# Altium PCB 控制器.PcbDoc (part 1 of 2)
Units mil, origin at the board's own origin, x right, y up, seen from the top; angles counter-clockwise.
Board outline 4045 x 3522 mil, 2 copper layers (Top Layer, Bottom Layer); 118 components, 129 nets, 483 pads, 116 vias.
Unrouted connection lines stored in the file: 1.
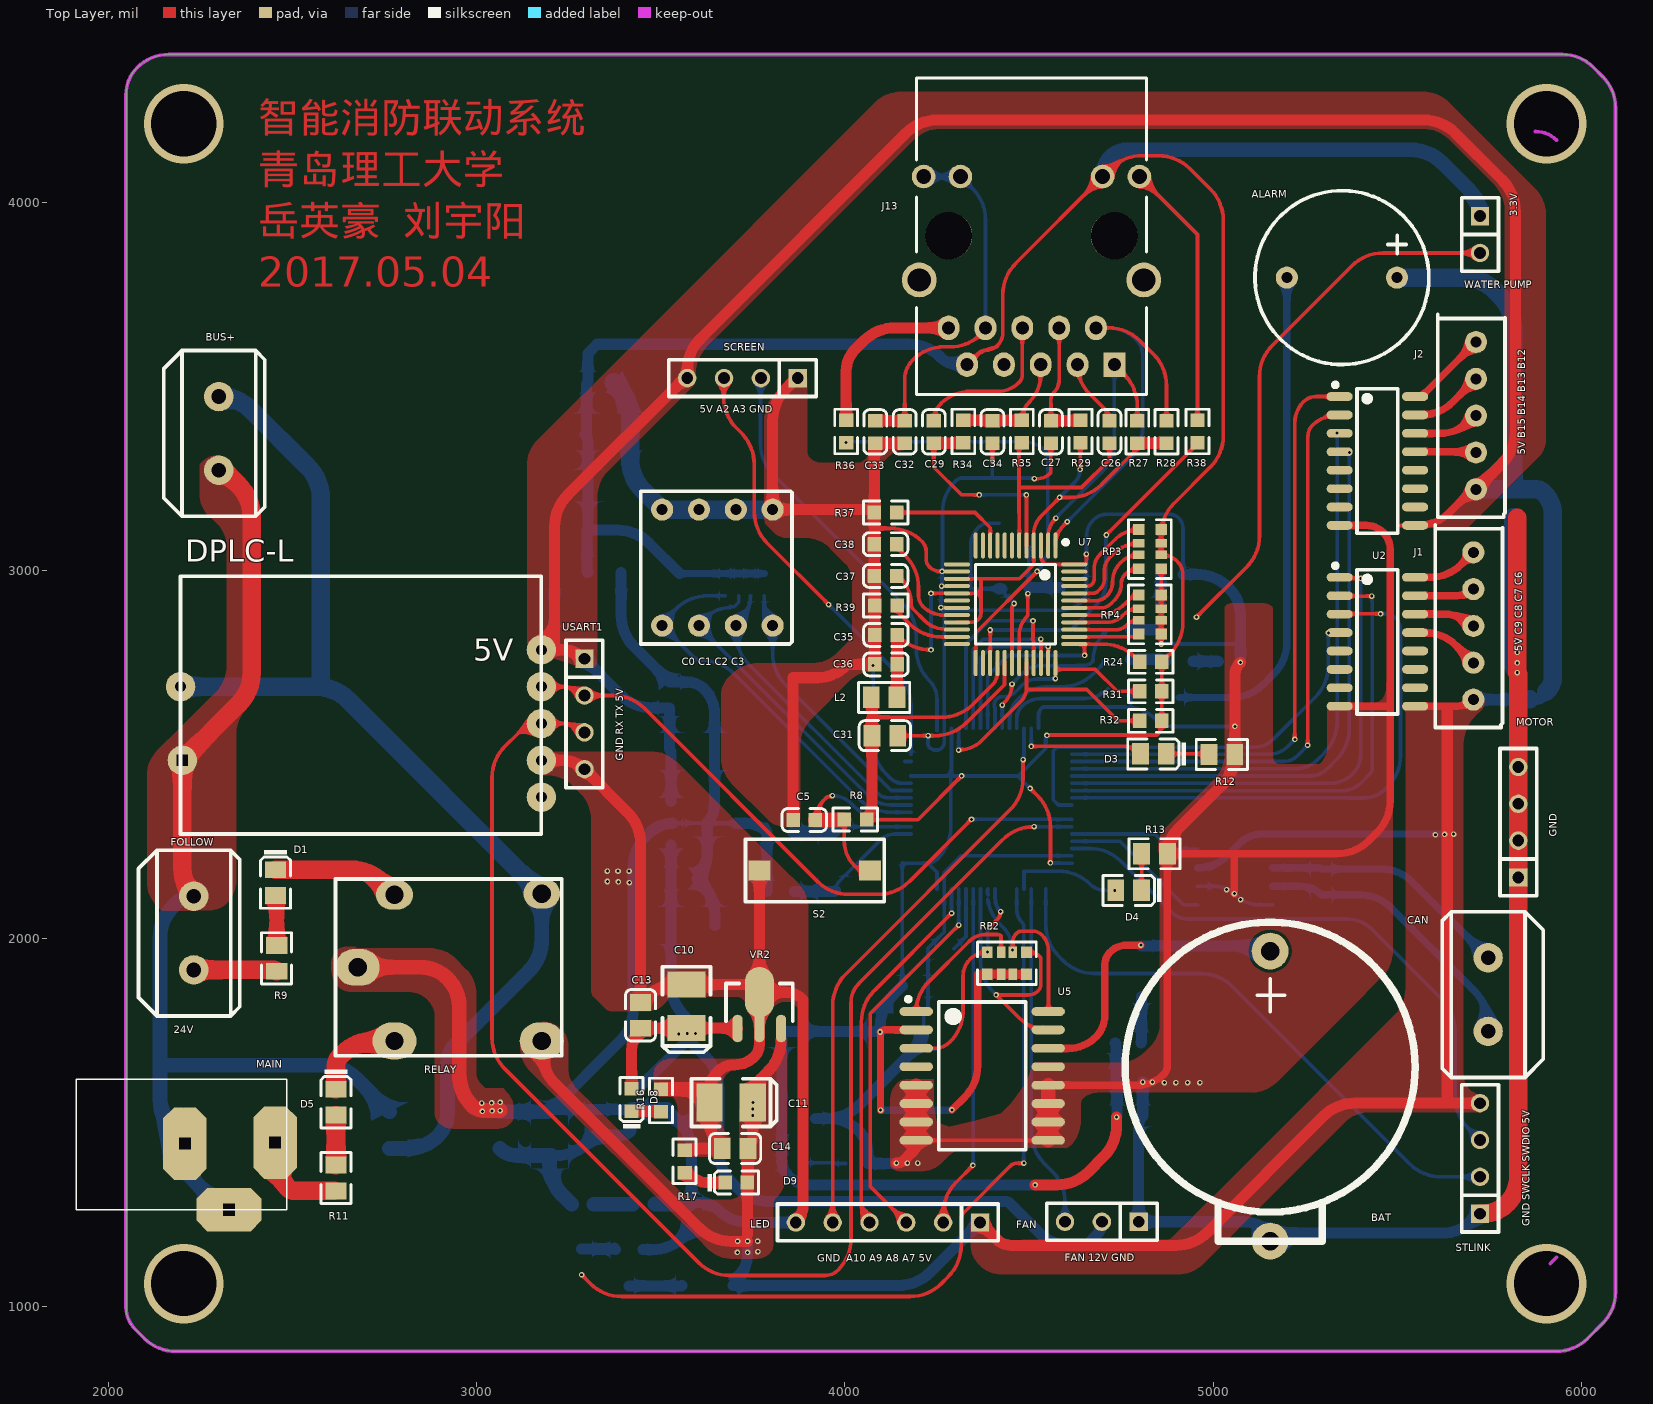
[diagram p0: Top Layer view]
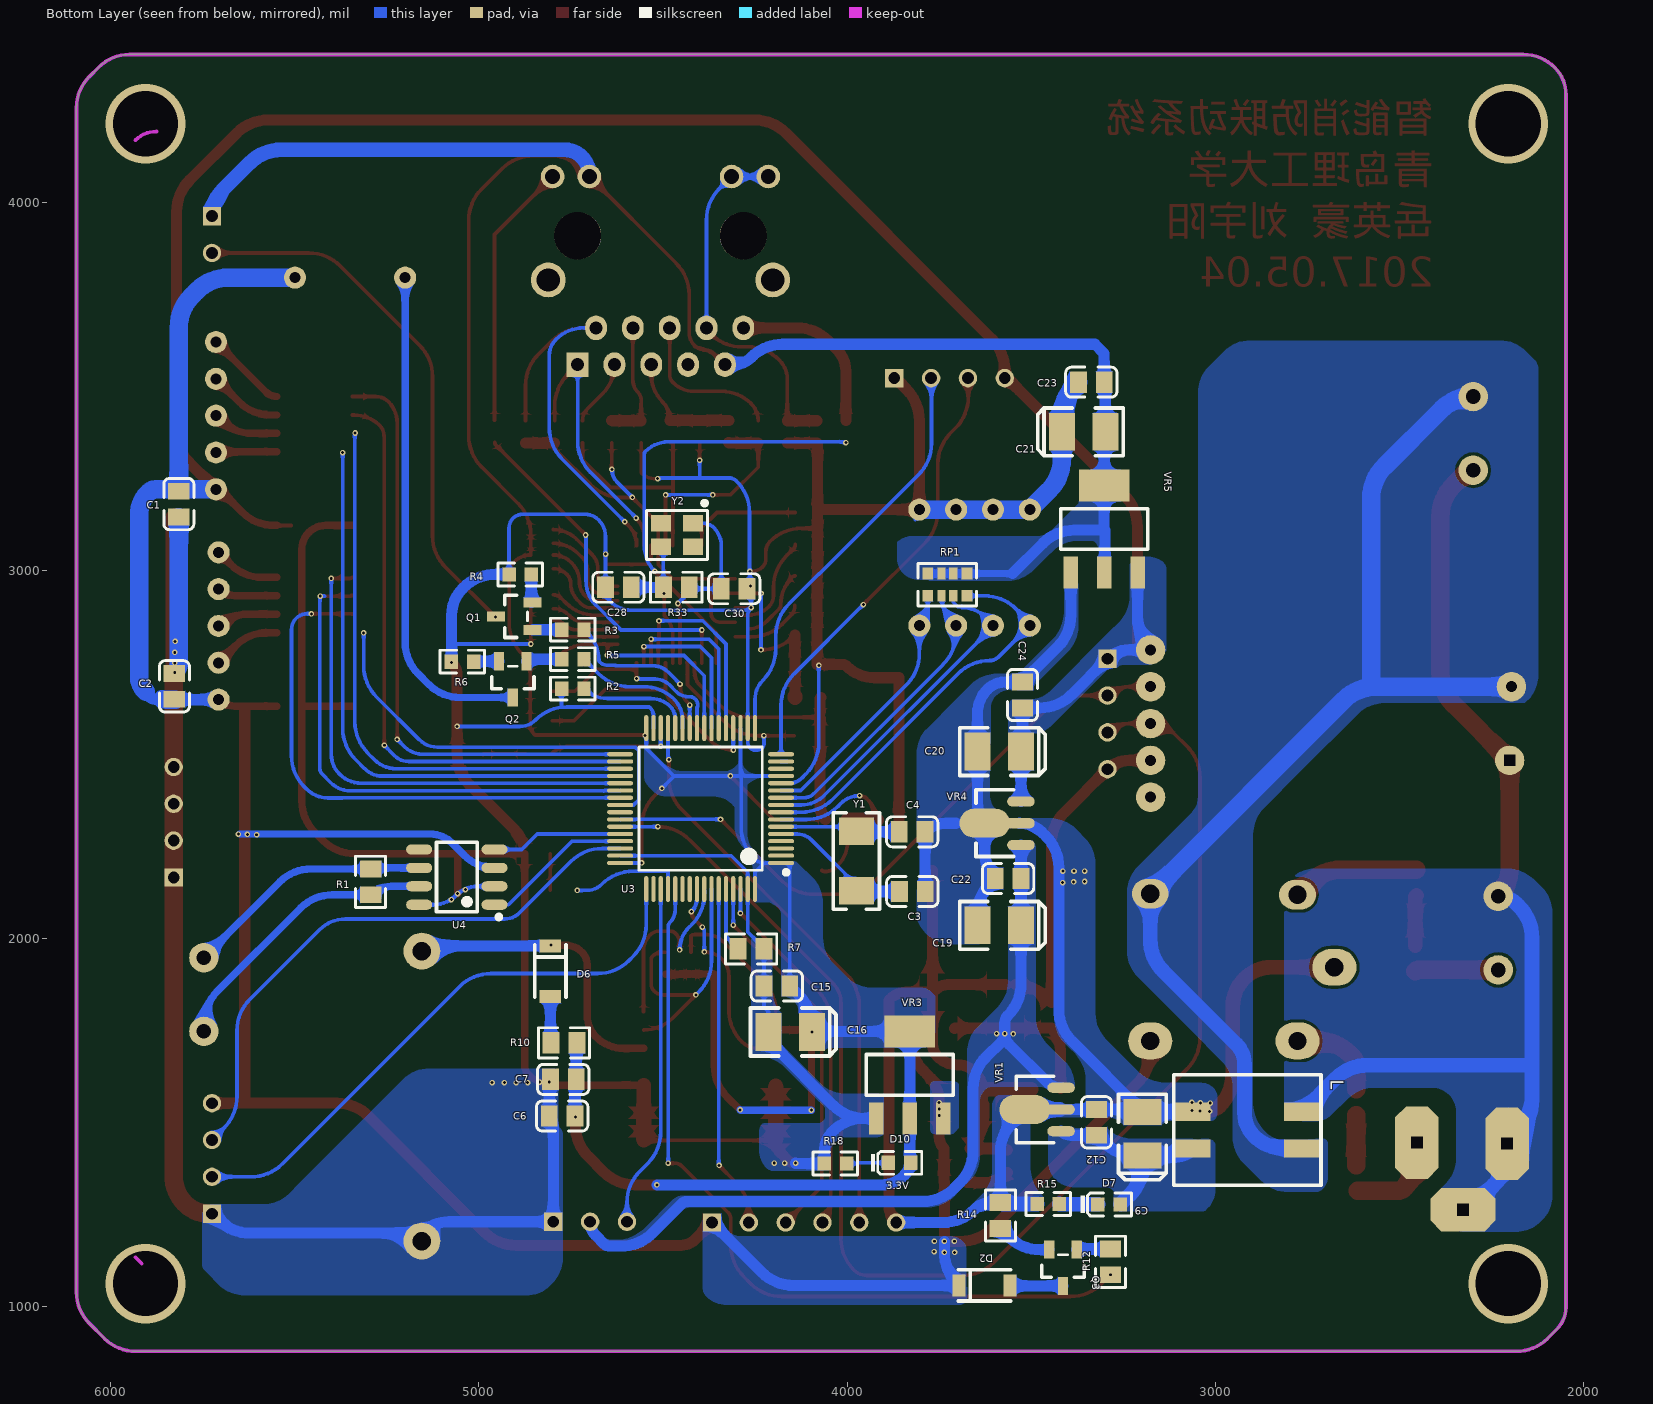
[diagram p1: Bottom Layer view, seen from below]
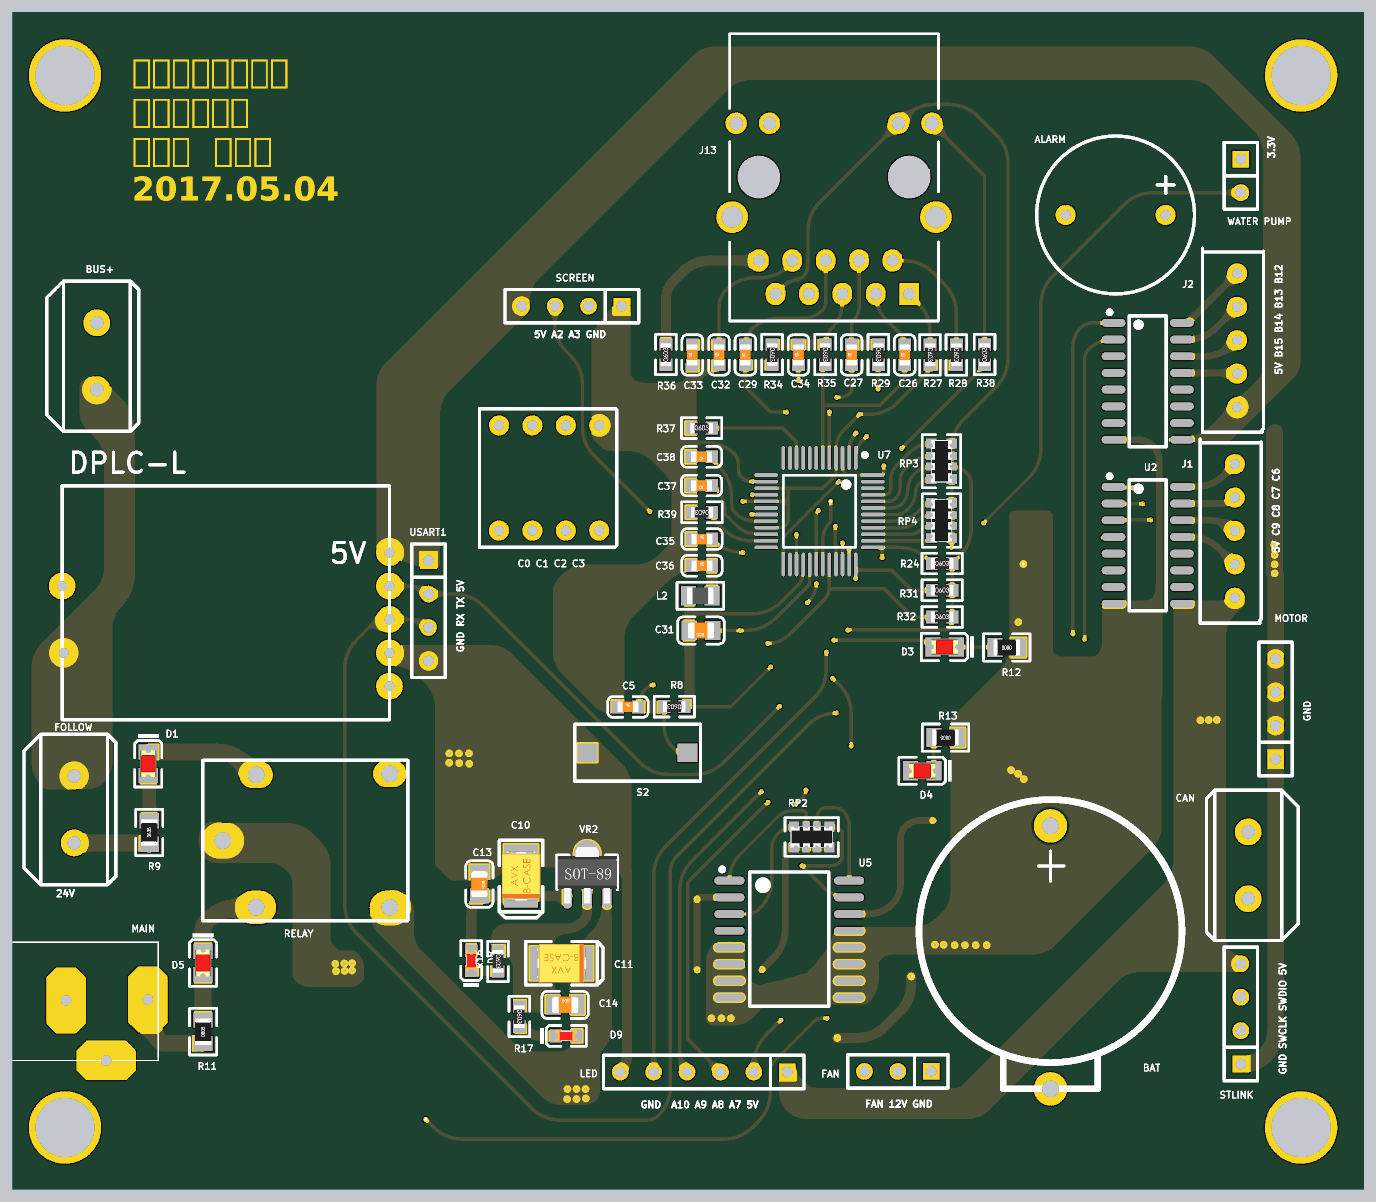
[diagram p3: 3D render of the assembled board from above, using the file's embedded part models]
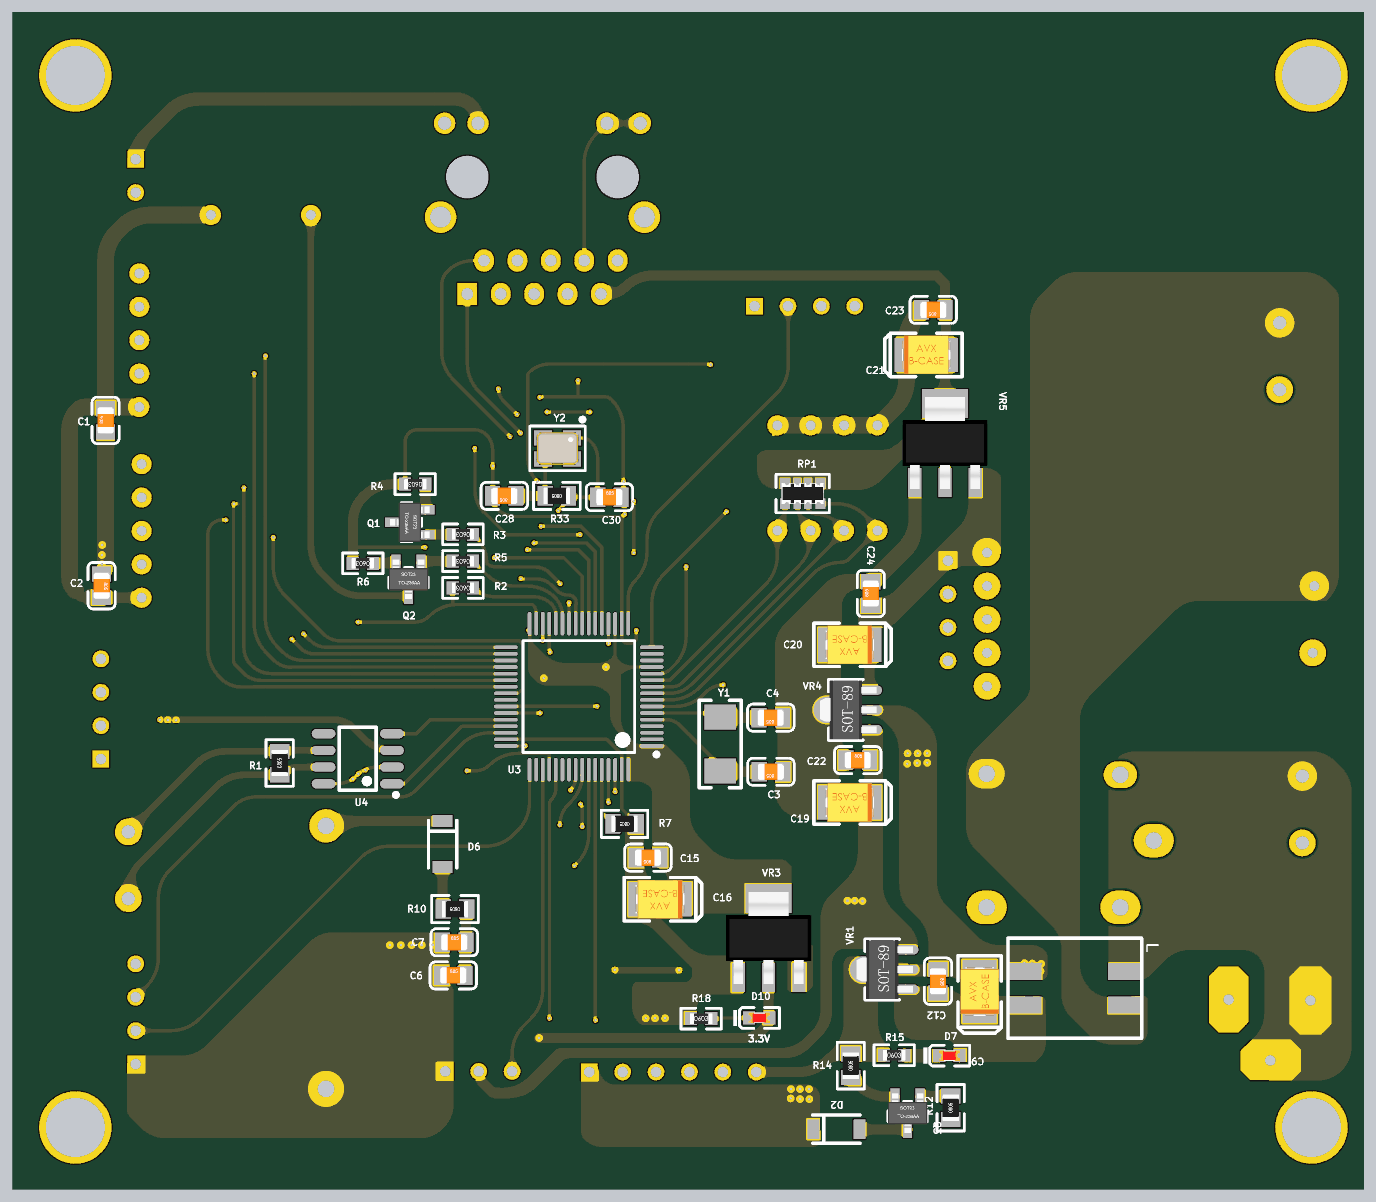
[diagram p4: 3D render of the assembled board from below, using the file's embedded part models]

## Layer stack, top to bottom
Top Solder: solder mask 0.4, Solder Resist, Dk 3.5
Top Layer: signal copper 1.4
Dielectric 1: dielectric 12.6, FR-4, Dk 4.8
Bottom Layer: signal copper 1.4
Bottom Solder: solder mask 0.4, Solder Resist, Dk 3.5

## Board outline
2073,939 cw(c2133.36,999.36) 2048,999.36 2048,4291.66 cw(c2152.63,4291.66) 2078.64,4365.64 cw(c2164,4280.29) 2164,4401 5949,4401 cw(c5949,4282.7) 6032.65,4366.35 6057.64,4341.36 cw(c5972.29,4256) 6093,4256 6093,1040 cw(c5972.29,1040) 6057.64,954.64 6017.36,914.36 cw(c5932,999.71) 5932,879 2183,879 cw(c2183,999.71) 2097.64,914.36

## Design rules (kind name [scope] priority, off if disabled: settings)
Clearance [All] p1: gap=8
PlaneConnect [All] p1: planeconnectstyle=Direct reliefexpansion=20 reliefentries=4 reliefconductorwidth=10 reliefairgap=10
PolygonConnect [All] p1: connectstyle=Direct reliefconductorwidth=10 reliefentries=4 polygonreliefangle="90 Angle" airgapwidth=10
RoutingVias [All] p1: holewidth=8 width=15 viastyle="Through Hole" minholewidth=5 minwidth=10 maxholewidth=28 maxwidth=50
SolderMaskExpansion [All] p1: expansion=4
Width [All] p1: maxlimit=80 minlimit=10 preferedwidth=30
29 further rules are at their usual default settings.

## Classes and differential pairs
component class 控制器: ALARM BAT "C0 C1 C2 C3" C1 C2 C3 C4 C5 C6 C7 C9 C11 C12 C13 C14 C15 C16 C19 C20 C21 C22 C23 C26 C27 C28 C29 C30 C31 C32 C33 C34 C35 C36 C37 C38 CAN D1 D2 D3 D4 D5 D6 D7 D8 D9 D10 FAN FOLLOW GND J1 J2 J13 J14 L2 LED MOTOR Q1 Q2 Q3 R1 R2 R3 R4 R5 R6 R7 R8 R9 R10 R11 R12 R13 R14 R15 R16 R17 R18 R24 R27 R28 R29 R31 R32 R33 R34 R35 R36 R37 R38 R39 RELAY RP1 RP2 RP3 RP4 S2 SCREEN STLINK U2 U3 U4 U5 U7 USART1 VR1 VR2 VR3 VR4 VR5 "WATER PUMP" Y1 Y2

## Components (designator, comment, footprint, x,y, rotation, side; value= is the part's Value field where it differs from the comment)
ALARM "蜂鸣器" 蜂鸣器 5349.9,3795 r90 top (schematic designator w1)
BAT "BAT" BAT 5155,1651 r270 top (schematic designator 1)
BUS+ "followSOURCE" 蓝端子 2300,3272 r90 top (schematic designator P1)
"C0 C1 C2 C3" "SW-DIP4" 4位拨码开关 3504,2850 r90 top (schematic designator S1)
C1 "100nF(104) 10% 50V" LC-0805_C 5815,3180 r90 bottom
C2 "100nF(104) 10% 50V" LC-0805_C 5827,2685 r270 bottom
C3 "22pF (220) 5% 50V" LC-0805_C 3823,2128 r0 bottom
C4 "22pF (220) 5% 50V" LC-0805_C 3823.38,2290 r0 bottom
C5 "100nF(104) 10% 50V" LC-0603_C 3890,2322 r0 top
C6 "100nF(104) 10% 50V" LC-0805_C 4774,1518.22 r180 bottom
C7 "1uF (105) 10% 50V" LC-0805_C 4771,1617.6 r180 bottom
C9 "220uF (227) ±10% 50V" LC-CASE-B_3528 3198.25,1470 r270 bottom
C10 "220uF (227) ±10% 50V" LC-CASE-B_3528 3570,1815.79 r270 top
C11 "220uF (227) ±10% 50V" LC-CASE-B_3528 3691,1554.66 r0 top
C12 "100nF(104) 10% 50V" LC-0805_C 3322.9,1501 r270 bottom
C13 "100nF(104) 10% 50V" LC-0805_C 3445.34,1791.79 r270 top
C14 "100nF(104) 10% 50V" LC-0805_C 3702,1430 r0 top
C15 "100nF(104) 10% 50V" LC-0805_C 4191,1871 r0 bottom
C16 "220uF (227) ±10% 50V" LC-CASE-B_3528 4155,1746.34 r180 bottom
C19 "220uF (227) ±10% 50V" LC-CASE-B_3528 3587,2036 r180 bottom
C20 "220uF (227) ±10% 50V" LC-CASE-B_3528 3587,2508 r180 bottom
C21 "220uF (227) ±10% 50V" LC-CASE-B_3528 3358,3376 r0 bottom
C22 "100nF(104) 10% 50V" LC-0805_C 3563,2163 r180 bottom
C23 "100nF(104) 10% 50V" LC-0805_C 3337,3511 r0 bottom
C24 "100nF(104) 10% 50V" LC-0805_C 3524,2661.59 r90 bottom
C26 "6.8nF (682) 10% 50V" LC-0603_C 4718.63,3376 r90 top
C27 "22nF (223) 10% 50V" LC-0603_C 4559.63,3376 r90 top
C28 "18pF (180) 5% 50V" LC-0805_C 4621.25,2954 r0 bottom
C29 "6.8nF (682) 10% 50V" LC-0603_C 4241.63,3376 r90 top
C30 "18pF (180) 5% 50V" LC-0805_C 4306.75,2950 r180 bottom
C31 "100nF(104) 10% 50V" LC-0805_C 4108.63,2551 r180 top
C32 "100nF (104) 10% 50V" LC-0603_C 4162.63,3376 r90 top
C33 "100nF (104) 10% 50V" LC-0603_C 4082.63,3376 r90 top
C34 "10nF (103) 10% 50V" LC-0603_C 4400.63,3376 r90 top
C35 "4.7uF (475) 10% 16V" LC-0603_C 4111.63,2824.82 r0 top
C36 "100nF (104) 10% 50V" LC-0603_C 4111.63,2744.73 r0 top
C37 "10nF (103) 10% 50V" LC-0603_C 4110.63,2985 r180 top
C38 "4.7uF (475) 10% 25V" LC-0603_C 4110.63,3071 r180 top
CAN "STLINK" SIP4 5725,1252.99 r90 top (schematic designator J5)
D1 "蓝灯 0805" LC-0805_LED_S1 2454,2152 r270 top
D2 "LL4148 LL-34 1206" LC-LL-34 3627,1058 r180 bottom
D3 "翠绿 0805" LC-0805_LED_S1 4838,2501.64 r180 top
D4 "翠绿 0805" LC-0805_LED_S1 4771,2131 r180 top
D5 "黄灯 0805" LC-0805_LED_S1 2618,1555.56 r270 top
D6 "LL4148 LL-34 1206" LC-LL-34 4806,1911.5 r270 bottom
D7 "白灯 0603" LC-0603_LED_S1 3288.68,1278.21 r180 bottom
D8 "白灯 0603" LC-0603_LED_S1 3420.91,1562 r90 top
D9 "白灯 0603" LC-0603_LED_S1 3705,1337.23 r0 top
D10 "白灯 0603" LC-0603_LED_S1 3858,1391 r180 bottom
DPLC-L "Comment" DPLC-L 3176,2784 r0 top
FAN "fan" SIP3 4798,1231 r180 top (schematic designator J3)
FOLLOW "followSOURCE" 蓝端子 2232,1915 r90 top (schematic designator P1)
GND "GND" SIP4 5829,2166 r90 top (schematic designator J8)
J1 "stepmotor1 out" 防反插乘5 5707,3049.01 r0 top
J2 "stepmotor2 out" 防反插乘5 5714,3620.02 r0 top
J13 "RJ45" RJ-45_GBE 4507,3814 r0 top
L "Comment" 共模电感 2763.28,1530 r270 bottom
L2 "100uH ±10%" LC-0805_L 4106.63,2655 r0 top
LED "CON6" SIP6 4367,1229 r180 top (schematic designator J9)
MAIN "DC JK" DC 2452.72,1446 r270 top (schematic designator J10)
MOTOR "ULN2003AFWG" LC-SOIC-16_150mil 5446.19,2806 r270 top (schematic designator U1)
Q1 "SS8050 Y1" LC-SOT-23(SOT-23-3) 4904,2875 r180 bottom
Q2 "SS8050 Y1" LC-SOT-23(SOT-23-3) 4908,2704 r90 bottom
Q3 "SS8050 Y1" LC-SOT-23(SOT-23-3) 3414,1106 r90 bottom
R1 "120Ω (1200) ±1%" LC-0805_R 5294,2154 r90 bottom
R2 "10KΩ (1002) ±1%" LC-0603_R 4745,2678.53 r0 bottom
R3 "1KΩ (1001) ±1%" LC-0603_R 4745,2838.71 r0 bottom
R4 "10KΩ (1002) ±1%" LC-0603_R 4888,2989 r0 bottom
R5 "1KΩ (1001) ±1%" LC-0603_R 4745,2758.62 r0 bottom
R6 "10KΩ (1002) ±1%" LC-0603_R 5044.86,2752 r0 bottom
R7 "10KΩ (1002) ±1%" LC-0805_R 4261,1972 r0 bottom
R8 "10KΩ (1002) ±1%" LC-0603_R 4028.75,2323 r180 top
R9 "750Ω (7500) ±1%" LC-0805_R 2457,1946.26 r90 top
R10 "200Ω (2000) ±1%" LC-0805_R 4769,1716.98 r0 bottom
R11 "1KΩ (1001) ±1%" LC-0805_R 2618,1349.82 r90 top
R12 "470Ω (4700) ±1%" LC-0805_R 5024.06,2500 r180 top
R12 "1KΩ (1001) ±1%" LC-0805_R 3285,1122.08 r90 bottom (schematic designator R11)
R13 "470Ω (4700) ±1%" LC-0805_R 4841,2230.38 r180 top
R14 "10KΩ (1002) ±1%" LC-0805_R 3584,1248 r90 bottom
R15 "1KΩ (1001) ±1%" LC-0603_R 3454.07,1279.21 r180 bottom
R16 "1KΩ (1001) ±1%" LC-0603_R 3501,1560.24 r270 top
R17 "1KΩ (1001) ±1%" LC-0603_R 3565,1395 r270 top
R18 "1KΩ (1001) ±1%" LC-0603_R 4032,1389 r180 bottom
R24 "10KΩ (1002) ±1%" LC-0603_R 4830.63,2751.55 r0 top
R27 "49.9Ω (49R9) ±1%" LC-0603_R 4794.37,3376 r270 top
R28 "49.9Ω (49R9) ±1%" LC-0603_R 4873.37,3376 r270 top
R29 "10Ω (10R0) ±1%" LC-0603_R 4639.63,3377 r270 top
R31 "10KΩ (1002) ±1%" LC-0603_R 4830.63,2671.46 r0 top
R32 "10KΩ (1002) ±1%" LC-0603_R 4830.63,2591.37 r0 top
R33 "1MΩ (1004) ±1%" LC-0805_R 4464,2954 r0 bottom
R34 "82Ω (82R0) ±1%" LC-0603_R 4321.63,3377 r270 top
R35 "82Ω (82R0) ±1%" LC-0603_R 4480.63,3377 r270 top
R36 "330Ω (3300) ±1%" LC-0603_R 4003.63,3377 r90 top
R37 "12KΩ (1202) ±1%" LC-0603_R 4110.63,3157 r0 top
R38 "330Ω (3300) ±1%" LC-0603_R 4957.63,3377 r90 top
R39 "10KΩ (1002) ±1%" LC-0603_R 4111.63,2904.91 r180 top
RELAY "继电器" RLY-964 2677,1922 r180 top (schematic designator *1)
RP1 "1KΩ (102) ±5%" LC-0603_Rx4 3728,2961 r0 bottom
RP2 "10KΩ (103) ±5%" LC-0603_Rx4 4440,1933 r0 top
RP3 "10KΩ (103) ±5%" LC-0603_Rx4 4828.63,3057.6 r270 top
RP4 "10KΩ (103) ±5%" LC-0603_Rx4 4828.63,2880.26 r90 top
S2 "SW SPST" 单片机小按键 3768.25,2185 r0 top
SCREEN "SCREEN" SIP4 3872,3522 r180 top (schematic designator J7)
STLINK "CAN" 蓝端子 5747,1948 r270 top (schematic designator J6)
U2 "ULN2003AFWG" LC-SOIC-16_150mil 5446.19,3297 r270 top
U3 "STM32 R8T6" LC-LQFP-64_10x10x05P 4398,2353 r90 bottom
U4 "CAN/TJA1050T/CM" LC-SOIC-8_150mil 5060,2167 r90 bottom
U5 "DS3231M+TRL" LC-SOIC-16_300mil 4373,1627 r270 top
U7 "W5500" LC-LQFP-48_7x7x05P 4463.63,2908 r180 top
USART1 "CON2" SIP4 3293,2760 r270 top (schematic designator J12)
VR1 "78L12G-AB3-R" LC-SOT-89(SOT-89-3) 3419,1536 r180 bottom
VR2 "78L05G-AB3-R" LC-SOT-89(SOT-89-3) 3768,1755.79 r270 top
VR3 "AMS1117-3.3" LC-SOT-223 3829.97,1630 r270 bottom
VR4 "78L05G-AB3-R" LC-SOT-89(SOT-89-3) 3528,2313.25 r180 bottom
VR5 "AMS1117-3.3" LC-SOT-223 3302,3112 r270 bottom
"WATER PUMP" "water pump" SIP2 5725,3962 r270 top (schematic designator J4)
Y1 "8MHz ±20ppm 20pF" LC-SMD-5032_2P 3975,2211 r270 bottom
Y2 "25MHZ 12PF 10PPM" LC-SMD-3225_4P 4462,3096 r0 bottom

## Footprints (in the part's own frame and the unit in brackets; to place one, negate y for a bottom-side part, rotate by r counter-clockwise, add the part's x,y. Pads: shape width x height; smd on the part's side, far side on the other; paste and mask are expansions set on the pad)
4位拨码开关 [mil]
  round 60 hole 30: 1(0,0) 2(0,-100) 3(0,-200) 4(0,-300) 5(315,-300) 6(315,-200) 7(315,-100) 8(315,0)
  silkscreen extent -50,-353 365,59
BAT [mm]
  round 2.54 hole 1.27: 1(12,0) 2(-8,0)
  silkscreen extent -10,-10 12,10
DC [mm]
  oct 5x3 hole 0.8 square: 1(0,0) 2(0.07,-6.22)
  oct 3x4.5 hole 0.8 square: 3(4.63,-3.17)
  silkscreen extent -4.36,-13.7 4.64,0.8
DPLC-L [mil]
  round 80 hole 30: 1(0,0) 2(0,-100) 3(0,-200) 4(0,-300) 5(0,-400) 6(-980,-100)
  round 80 hole 30 square: 5(-975,-300)
  silkscreen extent -980,-500 0,200
LC-0603_C [mm]
  rect 0.93x0.98 smd: 1(-0.77,0) 2(0.77,0)
  silkscreen extent -1.53,-0.79 1.54,0.79, body extent -0.8,-0.4 0.8,0.4, height 0.3
LC-0603_LED_S1 [mm]
  rect 0.93x0.98 smd: A(0.77,0) K(-0.77,0)
  silkscreen extent -1.98,-0.79 1.53,0.79, body extent -0.8,-0.4 0.8,0.4, height 0.6
LC-0603_R [mm]
  rect 0.93x0.98 smd: 1(-0.77,0) 2(0.77,0)
  silkscreen extent -1.53,-0.79 1.54,0.79, body extent -0.85,-0.4 0.85,0.4, height 0.56
LC-0603_Rx4 [mm]
  rect 0.75x0.8 smd mask+0.051: 1(-1.35,-0.77) 4(1.35,-0.77) 5(1.35,0.77) 8(-1.35,0.77)
  rect 0.58x0.8 smd mask+0.051: 2(-0.4,-0.77) 3(0.4,-0.77) 6(0.4,0.77) 7(-0.4,0.77)
  silkscreen extent -2.02,-1.47 2.02,1.47, body extent -1.6,-0.8 1.6,0.8, height 0.55
LC-0805_C [mm]
  rect 1.16x1.47 smd: 1(-0.89,0) 2(0.89,0)
  silkscreen extent -1.77,-1.04 1.77,1.04, body extent -1,-0.63 1,0.62, height 0.77
LC-0805_L [mm]
  rect 1.16x1.47 smd: 1(-0.89,0) 2(0.89,0)
  silkscreen extent -1.77,-1.04 1.77,1.03, body extent -1.02,-0.64 1.03,0.64, height 0.6
LC-0805_LED_S1 [mm]
  rect 1.16x1.47 smd: A(0.89,0) K(-0.89,0)
  silkscreen extent -2.25,-1.03 1.77,1.03, body extent -1.01,-0.63 1.01,0.62, height 1.1
LC-0805_R [mm]
  rect 1.16x1.47 smd: 1(-0.89,0) 2(0.89,0)
  silkscreen extent -1.77,-1.03 1.77,1.03, body extent -1,-0.62 1,0.62, height 0.49
LC-CASE-B_3528 [mm]
  rect 1.8x2.6 smd: 1(1.5,0) 2(-1.5,0)
  silkscreen extent -2.73,-1.65 3.16,1.65, body extent -1.85,-1.47 1.85,1.46, height 2.03
LC-LL-34 [mm]
  rect 0.9x1.5 smd: 1(1.75,0) 2(-1.75,0)
  silkscreen extent -1.8,-1.07 1.8,1.07
LC-LQFP-48_7x7x05P [mm]
  oval 0.28x1.8 smd mask+0.051: 1(-2.75,-4.05) 2(-2.25,-4.05) 3(-1.75,-4.05) 4(-1.25,-4.05) 5(-0.75,-4.05) 6(-0.25,-4.05) 7(0.25,-4.05) 8(0.75,-4.05) 9(1.25,-4.05) 10(1.75,-4.05) 11(2.25,-4.05) 12(2.75,-4.05) 25(2.75,4.05) 26(2.25,4.05) 27(1.75,4.05) 28(1.25,4.05) 29(0.75,4.05) 30(0.25,4.05) 31(-0.25,4.05) 32(-0.75,4.05) 33(-1.25,4.05) 34(-1.75,4.05) 35(-2.25,4.05) 36(-2.75,4.05)
  oval 1.8x0.28 smd mask+0.051: 13(4.05,-2.75) 14(4.05,-2.25) 15(4.05,-1.75) 16(4.05,-1.25) 17(4.05,-0.75) 18(4.05,-0.25) 19(4.05,0.25) 20(4.05,0.75) 21(4.05,1.25) 22(4.05,1.75) 23(4.05,2.25) 24(4.05,2.75) 37(-4.05,2.75) 38(-4.05,2.25) 39(-4.05,1.75) 40(-4.05,1.25) 41(-4.05,0.75) 42(-4.05,0.25) 43(-4.05,-0.25) 44(-4.05,-0.75) 45(-4.05,-1.25) 46(-4.05,-1.75) 47(-4.05,-2.25) 48(-4.05,-2.75)
  silkscreen extent -3.6,-4.42 2.75,2.75
LC-LQFP-64_10x10x05P [mm]
  oval 0.28x1.8 smd mask+0.051: 1(-3.75,-5.55) 2(-3.25,-5.55) 3(-2.75,-5.55) 4(-2.25,-5.55) 5(-1.75,-5.55) 6(-1.25,-5.55) 7(-0.75,-5.55) 8(-0.25,-5.55) 9(0.25,-5.55) 10(0.75,-5.55) 11(1.25,-5.55) 12(1.75,-5.55) 13(2.25,-5.55) 14(2.75,-5.55) 15(3.25,-5.55) 16(3.75,-5.55) 33(3.75,5.55) 34(3.25,5.55) 35(2.75,5.55) 36(2.25,5.55) 37(1.75,5.55) 38(1.25,5.55) 39(0.75,5.55) 40(0.25,5.55) 41(-0.25,5.55) 42(-0.75,5.55) 43(-1.25,5.55) 44(-1.75,5.55) 45(-2.25,5.55) 46(-2.75,5.55) 47(-3.25,5.55) 48(-3.75,5.55)
  oval 1.8x0.28 smd mask+0.051: 17(5.55,-3.75) 18(5.55,-3.25) 19(5.55,-2.75) 20(5.55,-2.25) 21(5.55,-1.75) 22(5.55,-1.25) 23(5.55,-0.75) 24(5.55,-0.25) 25(5.55,0.25) 26(5.55,0.75) 27(5.55,1.25) 28(5.55,1.75) 29(5.55,2.25) 30(5.55,2.75) 31(5.55,3.25) 32(5.55,3.75) 49(-5.55,3.75) 50(-5.55,3.25) 51(-5.55,2.75) 52(-5.55,2.25) 53(-5.55,1.75) 54(-5.55,1.25) 55(-5.55,0.75) 56(-5.55,0.25) 57(-5.55,-0.25) 58(-5.55,-0.75) 59(-5.55,-1.25) 60(-5.55,-1.75) 61(-5.55,-2.25) 62(-5.55,-2.75) 63(-5.55,-3.25) 64(-5.55,-3.75)
  silkscreen extent -4.55,-6.05 4.25,4.25
LC-SMD-3225_4P [mm]
  rect 1.4x1.15 smd: 1(-1.1,-0.8) 2(1.1,-0.8) 3(1.1,0.8) 4(-1.1,0.8)
  silkscreen extent -2.1,-2.35 2.1,1.7, body extent -1.6,-1.25 1.6,1.25, height 0.61
LC-SMD-5032_2P [mm]
  rect 1.9x2.4 smd: 1(-2.05,0) 2(2.05,0)
  silkscreen extent -3.33,-1.6 3.33,1.6
LC-SOIC-8_150mil [mm]
  oval 0.7x1.8 smd: 1(-1.905,-2.6) 2(-0.635,-2.6) 3(0.635,-2.6) 4(1.905,-2.6) 5(1.905,2.6) 6(0.635,2.6) 7(-0.635,2.6) 8(-1.905,2.6)
  silkscreen extent -2.9,-3.05 2.4,1.4
LC-SOIC-16_150mil [mm]
  oval 0.6x1.8 smd: 1(-4.445,-2.6) 2(-3.175,-2.6) 3(-1.905,-2.6) 4(-0.635,-2.6) 5(0.635,-2.6) 6(1.905,-2.6) 7(3.175,-2.6) 8(4.445,-2.6) 9(4.445,2.6) 10(3.175,2.6) 11(1.905,2.6) 12(0.635,2.6) 13(-0.635,2.6) 14(-1.905,2.6) 15(-3.175,2.6) 16(-4.445,2.6)
  silkscreen extent -5.4,-3.05 4.97,1.4
LC-SOIC-16_300mil [mm]
  oval 0.6x2.3 smd: 1(-4.445,-4.55) 2(-3.175,-4.55) 3(-1.905,-4.55) 4(-0.635,-4.55) 5(0.635,-4.55) 6(1.905,-4.55) 7(3.175,-4.55) 8(4.445,-4.55) 9(4.445,4.55) 10(3.175,4.55) 11(1.905,4.55) 12(0.635,4.55) 13(-0.635,4.55) 14(-1.905,4.55) 15(-3.175,4.55) 16(-4.445,4.55)
  silkscreen extent -5.45,-5.25 5.1,3
LC-SOT-23(SOT-23-3) [mm]
  rect 1.25x0.7 smd: 1(1.25,-0.95) 2(1.25,0.95) 3(-1.25,0)
  silkscreen extent -0.65,-1.46 0.9,1.46, body extent -1.5,-1.5 1.5,1.5, height 1.3
LC-SOT-89(SOT-89-3) [mm]
  oval 1.9x0.7 smd: 1(0,-1.5) 3(0,1.5)
  oval 3.5x2 smd: 2(-2.5,0)
  oval 2.1x0.7 smd: 2(-0.1,0)
  silkscreen extent -3.1,-2.3 -0.5,2.3, body extent -3.75,-2.25 0.55,2.25, height 1.51
LC-SOT-223 [mm]
  rect 2.2x1 smd: 1(3,-2.3) 2(3,0) 3(3,2.3)
  rect 2.2x3.5 smd: 2(-3,0)
  silkscreen extent -1.4,-3 1.4,3, body extent -3.49,-3.24 3.49,3.24, height 1.64
RJ-45_GBE [mil]
  rect 59.06x66.93 hole 35.43: 1(225,-255.5)
  oval 59.06x66.93 hole 35.43: 2(175,-155.5) 3(125,-255.5) 4(75,-155.5) 5(25,-255.5) 6(-25,-155.5) 7(-75,-255.5) 8(-125,-155.5) 9(-175,-255.5) 10(-225,-155.5)
  round 64 hole 40: 11(293,255.5) 12(193,255.5) 13(-193,255.5) 14(-293,255.5)
  round 94.49 hole 62.99: SH(-305,-25.5) SH(305,-25.5)
  round 128 hole 128 unplated: ""(-225,94.5) ""(225,94.5)
  silkscreen extent -313,-337 313,523, body extent -313,-337 313,523, height 528
RLY-964 [mil]
  oval 120x100 hole 50: 1(0,0) 3(-500,200) 5(-100,200)
  oval 100x80 hole 50: 2(-500,-200) 4(-100,-196.85)
  silkscreen extent -554,-240 60,240
SIP2 [mil]
  rect 50x50 hole 32: 1(0,0)
  round 50 hole 32: 2(100,0)
  silkscreen extent -50,-50 150,50
SIP3 [mil]
  rect 50x50 hole 32: 1(0,0)
  round 50 hole 32: 2(100,0) 3(200,0)
  silkscreen extent -50,-50 250,50
SIP4 [mil]
  rect 50x50 hole 32: 1(0,0)
  round 50 hole 32: 2(100,0) 3(200,0) 4(300,0)
  silkscreen extent -50,-50 350,50
SIP6 [mil]
  rect 50x50 hole 32: 1(0,0)
  round 50 hole 32: 2(100,0) 3(200,0) 4(300,0) 5(400,0) 6(500,0)
  silkscreen extent -50,-50 550,50
共模电感 [mil]
  rect 50x100 smd: 1(0,0) 2(100,0) 3(100,-300) 4(0,-300)
  silkscreen extent -100,-350 200,50
单片机小按键 [mil]
  rect 60x55 smd: 1(0,0) 2(300,0)
  silkscreen extent -38,-85 339,85
蓝端子 [mil]
  round 80 hole 40: 1(0,0) 2(200,0)
  silkscreen extent -125,-125 325,150
蜂鸣器 [mil]
  round 60 hole 30: 1(0,-149.61) 2(0,149.61)
  silkscreen extent -236,-236 236,236
防反插乘5 [mil]
  round 60 hole 30: 1(0,0) 2(0,-100) 3(0,-200) 4(0,-300) 5(0,-400)
  silkscreen extent -104,-476 79,75
